# Allegro board RK3588S_Template_LP4XD200P232SD10H2_30X30_2133MHz_H1R0_V11_20220218YWQ.brd (continued)
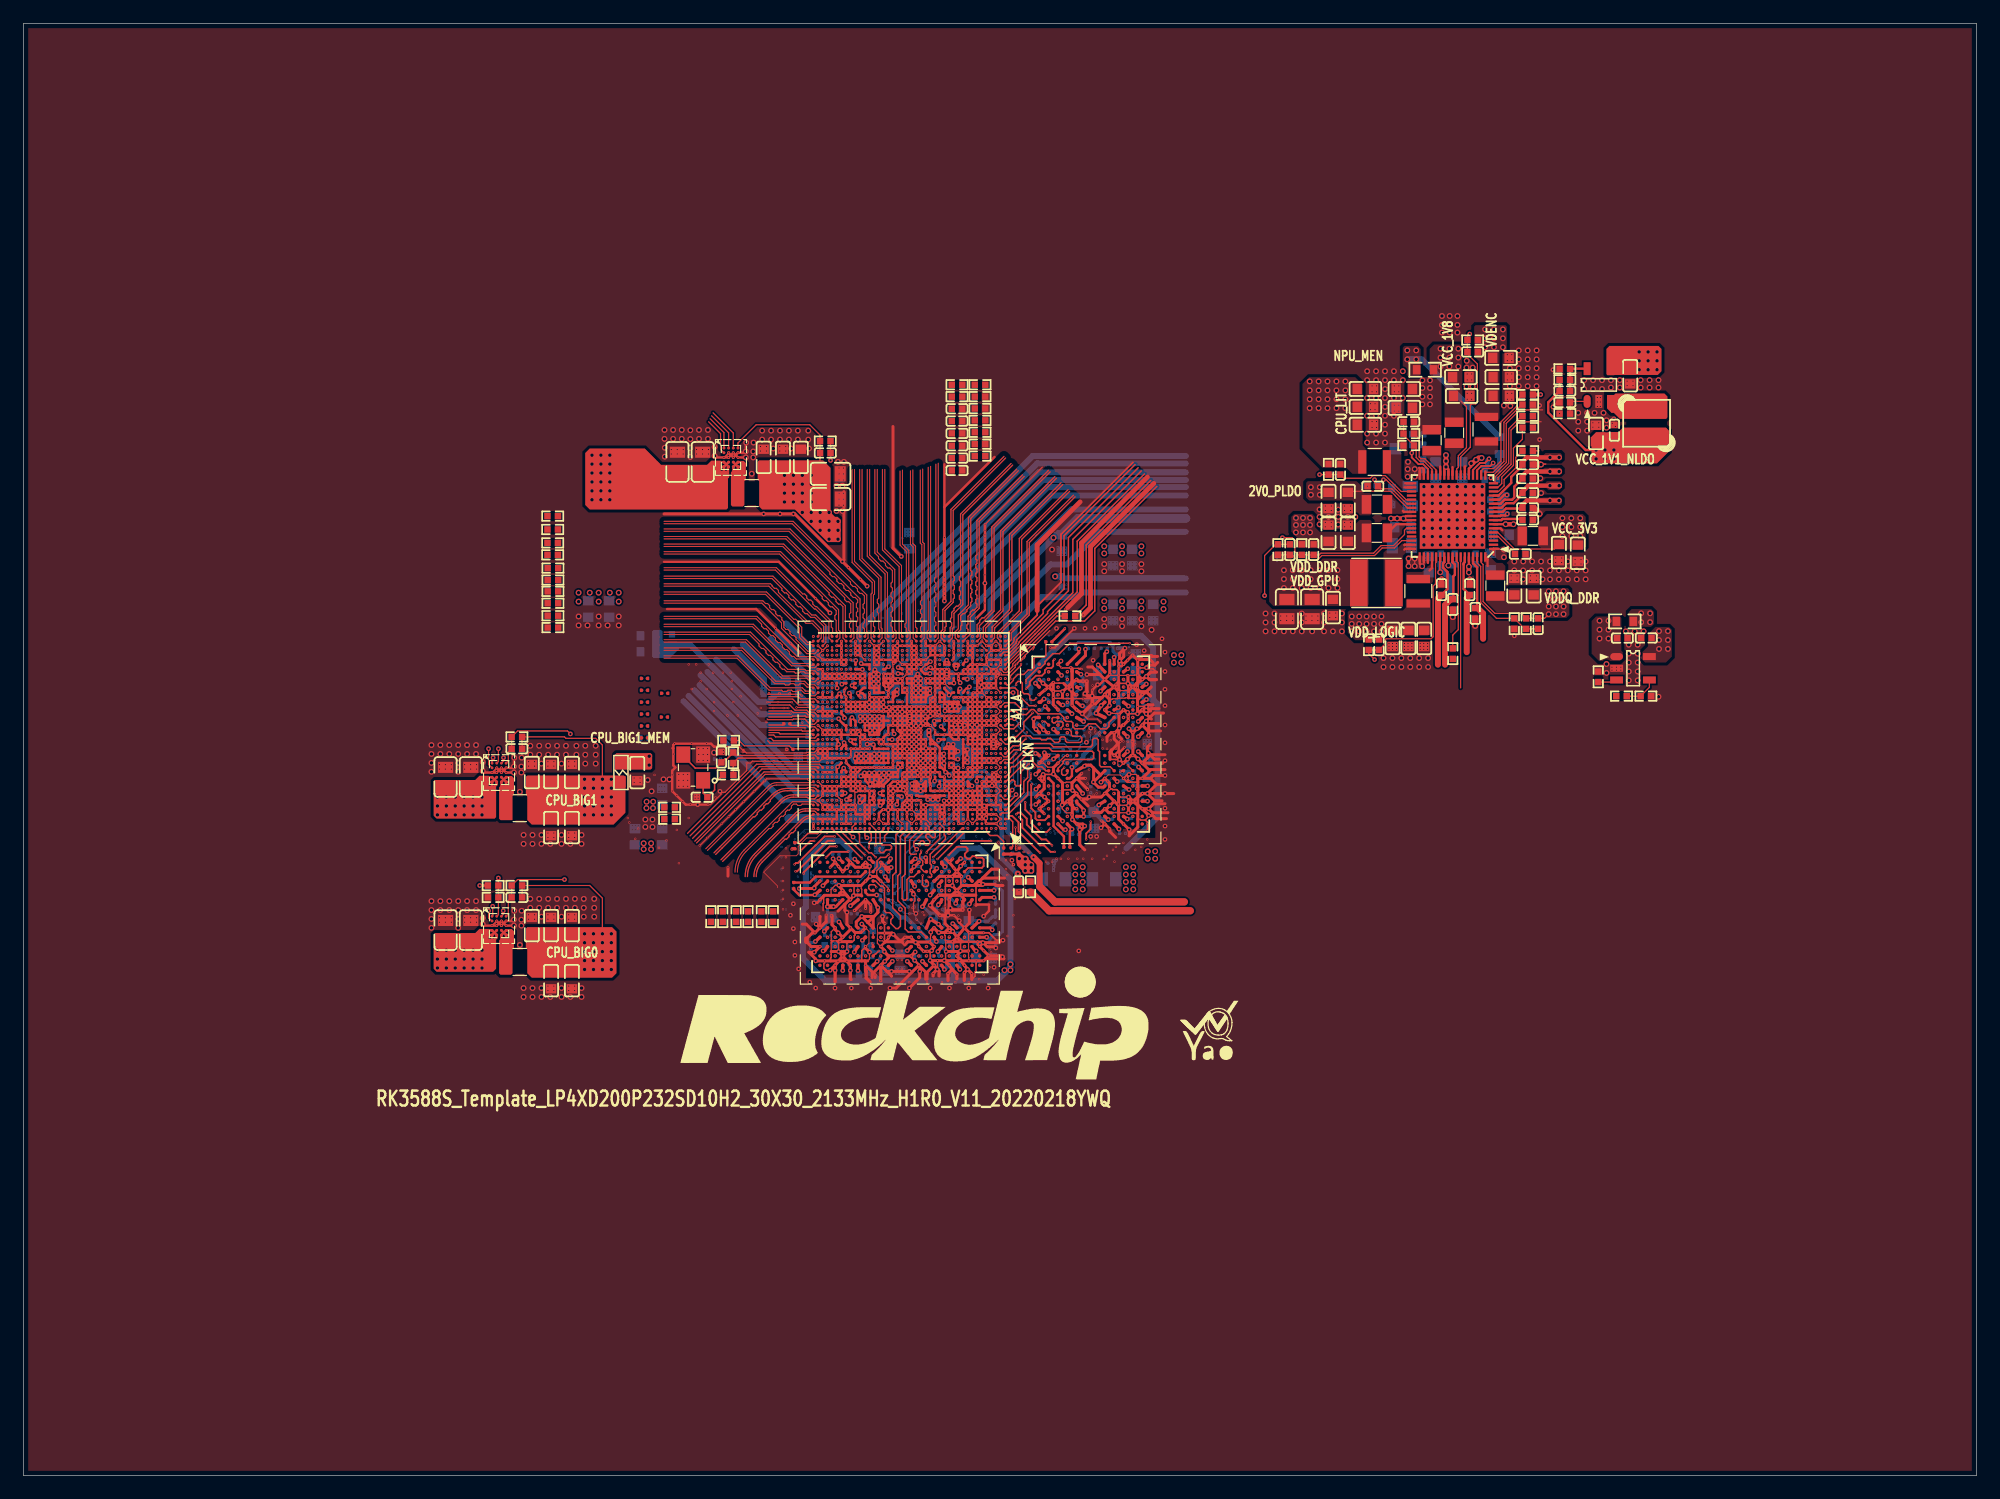
[diagram p0: board, top side]
## Routing (per net, layer and track width the routed paths; a pad name or vN(x,y) marks a point on that pad's centre or on a via; arc(x,y) is an arc through that point) (continued)
SDIO_CMD_M1_WIFI: length 10.6
  L3-S1 w0.076: 66.24,71.29 67.97,69.57 68.43,69.57 v2(68.69,69.3)
  L3-S1 w0.102: 60.62,75.36 62.17,75.36 66.24,71.29
SDIO_D0_M1_WIFI: length 12.6
  L3-S1 w0.076: v2(69.09,68.9) 68.85,68.66 67.41,68.66 67.16,68.92 67.16,69.15 66.21,70.1
  L3-S1 w0.102: 58.7,73.44 62.86,73.44 66.21,70.1
SDIO_D1_M1_WIFI: length 13.2
  L3-S1 w0.076: v2(69.49,68.9) 69.1,68.51 67.35,68.51 67,68.86 67,69.01 66.21,69.81
  L3-S1 w0.102: 58.46,73.2 62.81,73.2 66.21,69.81
SDIO_D2_M1_WIFI: length 10.8
  L3-S1 w0.076: 66.58,71.24 67.26,70.56 67.28,70.56 68.13,69.72 68.67,69.72 v2(69.09,69.3)
  L3-S1 w0.102: 60.87,75.62 62.21,75.62 66.58,71.24
SDIO_D3_M1_WIFI: length 10.3
  L3-S1 w0.076: 66.2,70.96 67.52,69.65 67.6,69.65 67.9,69.35 68.25,69.35 v2(68.27,69.32)
  L3-S1 w0.102: 66.2,70.96 62.06,75.11 60.36,75.11
SDMMC_CLK: length 14.3
  TOP w0.122: R1320.2 90.8,74.38 90.8,79.52 96.32,85.04
SDMMC_CMD: length 21
  TOP w0.107: 85.34,71.12 85.24,71.02 85.24,70.98 83.96,69.7 U1000.AU1
  TOP w0.122: 95.51,85.85 89.66,80 89.66,75.44 86.42,72.2 85.34,71.12
SDMMC_D0: length 21.2
  TOP w0.107: 84.87,71.28 84.81,71.22 84.81,71.13 84.06,70.38 83.77,70.38 U1000.AV2
  TOP w0.122: 84.87,71.28 84.87,71.41 87.12,73.66 87.12,73.97 88.91,75.76 88.91,80.31 94.98,86.38
SDMMC_D1: length 23.3
  TOP w0.107: U1000.AR2 83.77,68.62 83.78,68.62 83.78,68.62 84.01,68.62 84.53,69.14 84.53,69.35 85.95,70.77
  TOP w0.122: 96.84,84.52 91.54,79.22 91.54,73.88 90.66,73.01 88.19,73.01 85.95,70.77
SDMMC_D2: length 20.8
  TOP w0.107: U1000.AV1 84.07,70.1 85.02,71.05 85.02,71.11 85.09,71.19
  TOP w0.122: 85.09,71.19 85.09,71.25 87.5,73.66 87.5,73.82 89.28,75.6 89.28,80.15 95.24,86.11
SDMMC_D3: length 21.2
  TOP w0.107: 85.56,71.03 85.43,70.9 85.43,70.84 83.89,69.3 U1000.AT1
  TOP w0.122: 85.56,71.03 86.46,71.92 90.04,75.5 90.04,79.84 95.78,85.58
SDMMC_DET_L: length 12.9
  L3-S1 w0.076: 66.24,63.93 67.94,63.93 68.14,63.73 68.63,63.73 69,64.1 v2(69.09,64.1)
  L3-S1 w0.102: 66.24,63.93 63.07,63.93 60.72,66.28 57.36,66.28
SDMMC_PWREN: length 13.4
  L3-S1 w0.076: v2(73.49,70.1) 73.49,70.14 73,70.64 73,72.47 73.05,72.52 73.05,72.57
  L3-S1 w0.102: 73.05,83.29 73.05,72.57
SL_PWREN: length 10.3
  L3-S1 w0.076: 66.98,72.57 68.2,71.34 68.2,70.74 68.44,70.5 v2(68.69,70.5)
  L3-S1 w0.102: 66.98,72.57 61.78,77.76
SLEEP1_RESET1_DEVOFF1_VSEL1: length 22.8
  TOP w0.102: U2200.62 122.8,78.12 122.79,78.11 122.79,67.31
  L3-S1 w0.076: 66.2,62.79 66.52,62.47 67.86,62.47 v2(67.89,62.5)
  L3-S1 w0.102: 56.85,63.93 60.47,63.93 61.61,62.79 66.2,62.79
SPI2_CLK_M2: length 12.2
  L3-S1 w0.076: 66.24,63.32 67.83,63.32 68.04,63.12 68.45,63.12 68.67,62.9 v2(68.69,62.9)
  L3-S1 w0.102: 66.24,63.32 62.11,63.32 60.48,64.95 57.36,64.95
SPI2_MOSI_M2: length 13.5
  TOP w0.102: R1116.1 129.48,87.56
  L3-S1 w0.076: v2(68.69,62.5) 68.32,62.13 66.39,62.13 66.14,62.38
  L3-S1 w0.102: 66.14,62.38 61.44,62.38 60.4,63.42 56.34,63.42
SPI4_MISO_M2_TP: length 10
  L3-S1 w0.076: v2(68.29,57.7) 68.24,57.64 66.59,57.64 66.2,57.25
  L3-S1 w0.102: 62.56,51.01 62.56,53.61 66.2,57.25
SPI4_MOSI_M2_TP: length 12.5
  L3-S1 w0.076: 66.24,59.08 68,59.08 68.22,59.3 v2(68.29,59.3)
  L3-S1 w0.102: 66.24,59.08 65.99,59.08 65.01,58.1 65.01,57.78 61.16,53.94 61.16,51.01
SPK_CTL_H: length 19.5
  L3-S1 w0.076: v2(78.29,69.7) 78.44,69.84 78.44,70.28 78.57,70.42 78.57,72.31 78.44,72.44 78.44,72.57
  L3-S1 w0.102: 77.5,88.34 77.5,83.56 78.08,82.98 78.08,77.65 77.73,77.29 77.73,74.16 78.44,73.45 78.44,72.57
TP_INT_L: length 7.5
  L3-S1 w0.076: v2(68.29,56.47) 67.38,56.47 66.24,55.34 66.24,55.28
  L3-S1 w0.102: 64.57,51.01 64.57,53.61 66.24,55.28
TP_RST_L: length 13.5
  L3-S1 w0.076: 66.24,59.77 66.61,59.77 66.97,60.12 68.15,60.12 68.57,59.7 v2(68.69,59.7)
  L3-S1 w0.102: 66.24,59.77 65.81,59.77 64.86,58.82 59.26,53.21 59.26,52.16
TSADC_SHUT: length 12.5
  L3-S1 w0.076: v2(68.69,64.1) 68.47,63.88 68.2,63.88 68,64.08 66.32,64.08 66.24,64.16
  L3-S1 w0.102: 66.24,64.16 63.22,64.16 60.79,66.59 57.36,66.59
TYPEC0_DP0_REXT: length 1.7
  L3-S1 w0.076: v2(79.89,70.5) 79.65,70.74 79.65,71.48 79.62,71.51 79.62,71.62 v3(79.67,71.68)
  L8-S3 w0.102: v4(79.38,71.86) 79.5,71.86 v3(79.67,71.68)
TYPEC0_OTG_DM: length 3.4
  L3-S1 w0.064: v2(80.29,70.9) 80.22,70.97 80.22,74.1 80.34,74.22
TYPEC0_OTG_DP: length 3.5
  L3-S1 w0.064: v2(79.89,70.9) 80.05,71.06 80.05,74.17 80.15,74.27
TYPEC0_OTG_VBUSDET: length 19.7
  L3-S1 w0.076: 79.27,72.57 79.27,72.48 79.2,72.41 79.2,71.33 79.34,71.19 79.34,70.14 79.71,69.77 79.96,69.77 80.29,70.1 v2(80.29,70.1)
  L3-S1 w0.102: 79.05,88.44 79.05,73.98 79.27,73.76 79.27,72.57
TYPEC0_SBU1: length 19
  L3-S1 w0.102: 81.26,89.97 81.26,73.96 80.82,73.51 80.82,71.58 81.09,71.31 v2(81.09,71.3)
TYPEC0_SBU1_DC: length 17.5
  L3-S1 w0.076: v2(76.69,70.1) 76.3,70.5 76.3,71.03 76.44,71.18 76.44,72.74 76.23,72.95
  L3-S1 w0.102: 76.23,72.95 76.1,73.08 76.1,77.97 76.45,78.32 76.45,80.93 75.72,81.66 75.72,86.75
TYPEC0_SBU2: length 18.6
  L3-S1 w0.102: 81.51,90.07 81.51,73.86 81.06,73.41 81.06,71.73 v2(81.09,71.7)
TYPEC0_SBU2_DC: length 17.4
  L3-S1 w0.076: 76.95,72.95 76.95,72.28 77.44,71.79 77.44,70.84 v2(77.09,70.5)
  L3-S1 w0.102: 76.95,72.95 76.95,73.29 76.71,73.52 76.71,77.71 77.06,78.07 77.06,81.18 76.33,81.91 76.33,87.01
TYPEC0_SSRX1N: length 16.2
  TOP w0.104: U1000.BA10 80.9,71.91 80.9,73.34 81.66,74.1 81.66,81.53 85.5,85.37
TYPEC0_SSRX1P: length 16.6
  TOP w0.104: U1000.BB10 80.39,71.7 80.71,72.02 80.71,72.3 80.61,72.4 80.61,72.67 80.71,72.77 80.71,73.42 80.9,73.62 80.9,73.76 81.1,73.95 81.24,73.95 81.47,74.18 81.47,74.46 81.37,74.56 81.37,74.84 81.47,74.94 81.47,75.22 81.37,75.31 81.37,75.59 81.47,75.69 81.47,75.97 81.37,76.06 81.37,76.34 81.47,76.44 81.47,76.72 81.37,76.82 81.37,77.09 81.47,77.19 81.47,77.47 81.37,77.57 81.37,77.85 81.47,77.94 81.47,78.22 81.37,78.32 81.37,78.6 81.47,78.69 81.47,81.61 85.36,85.5
TYPEC0_SSRX2N: length 17.3
  TOP w0.104: 84.52,86.34 80.26,82.08 80.26,74.43 79.5,73.67 79.5,72.49 79.37,72.36 79.37,71.58 U1000.BA13
TYPEC0_SSRX2P: length 17.4
  TOP w0.104: U1000.BB13 79.18,71.78 79.18,72.44 79.31,72.57 79.31,72.85 79.21,72.95 79.21,73.23 79.31,73.32 79.31,73.75 79.51,73.95 79.51,74.09 79.71,74.29 79.84,74.29 80.07,74.51 80.07,74.79 79.97,74.89 79.97,75.17 80.07,75.26 80.07,75.54 79.97,75.64 79.97,75.92 80.07,76.02 80.07,76.4 79.98,76.49 79.98,76.8 80.07,76.89 80.07,82.16 84.39,86.48
TYPEC0_SSTX1N: length 17
  TOP w0.104: U1000.BA11 79.61,71.58 79.61,72.09 79.88,72.36 79.88,73.53 80.74,74.39 80.74,81.87 84.87,85.99
TYPEC0_SSTX1P: length 16.8
  TOP w0.104: 85,85.86 80.94,81.79 80.94,77.32 81.03,77.23 81.03,76.95 80.94,76.85 80.94,76.57 81.03,76.47 81.03,76.19 80.94,76.1 80.94,75.82 81.03,75.72 81.03,75.44 80.94,75.35 80.94,75.07 81.03,74.97 81.03,74.69 80.94,74.59 80.94,74.31 80.61,73.98 80.61,73.85 80.41,73.65 80.27,73.65 80.08,73.45 80.08,73.04 80.17,72.94 80.17,72.66 80.08,72.56 80.08,72.28 79.81,72.02 79.81,71.78 U1000.BB11
TYPEC0_SSTX2N: length 18.1
  TOP w0.104: 83.78,87.08 79.25,82.55 79.25,74.7 78.55,73.99 78.55,72.28 78.42,72.15 78.42,71.82 78.41,71.82 78.41,71.58 78.49,71.51 78.49,71.51 U1000.BA14
TYPEC0_SSTX2P: length 17.8
  TOP w0.104: U1000.BB14 78.61,71.78 78.61,72.07 78.74,72.2 78.74,72.48 78.84,72.57 78.84,72.85 78.74,72.95 78.74,73.91 79.44,74.62 79.44,74.89 79.54,74.99 79.54,75.27 79.44,75.37 79.44,75.65 79.54,75.74 79.54,76.02 79.44,76.12 79.44,76.4 79.54,76.49 79.54,76.77 79.44,76.87 79.44,82.47 83.92,86.94
TYPEC0_USB20_OTG_ID: length 0.7
  L3-S1 w0.102: v3(80.59,70.5) v2(80.29,70.5)
  L8-S3 w0.102: v3(80.59,70.5) 80.45,70.64 v4(80.45,70.87)
UART2_RX_M0: length 12.9
  L3-S1 w0.076: v2(68.29,66.1) 68.24,66.15 66.81,66.15 66.48,66.48
  L3-S1 w0.102: 57.36,70.96 61.89,70.96 66.37,66.48 66.48,66.48
UART2_TX_M0: length 13.4
  L3-S1 w0.076: v2(68.69,66.1) 68.6,66.1 68.38,66.32 66.89,66.32 66.55,66.66
  L3-S1 w0.102: 66.55,66.66 66.48,66.66 61.98,71.16 57.36,71.16
UART9_CTSN_M2_BT: length 12.5
  L3-S1 w0.076: 71.99,72.57 71.99,72.18 71.74,71.93 71.74,71.05 v2(71.89,70.9)
  L3-S1 w0.102: 71.53,83.03 71.53,75.68 71.99,75.22 71.99,72.57
UART9_RTSN_M2_BT: length 12.8
  L3-S1 w0.076: v2(72.29,70.9) 71.9,71.3 71.9,71.87 72.21,72.18 72.21,72.57
  L3-S1 w0.102: 71.73,83.17 71.73,75.77 72.21,75.29 72.21,72.57 72.21,72.57
UART9_RX_M2_BT: length 13
  L3-S1 w0.076: 71.57,72.57 71.57,72.2 71.44,72.06 71.44,70.55 v2(71.89,70.1)
  L3-S1 w0.102: 71.57,72.57 71.57,75.06 71.12,75.51 71.12,82.66
UART9_TX_M2_BT: length 12.5
  L3-S1 w0.076: 72.44,72.57 72.44,72.51 72.54,72.4 72.54,70.75 v2(72.29,70.5)
  L3-S1 w0.102: 72.44,82.83 72.44,72.57
USB20_HOST0_DM: length 5.6
  L3-S1 w0.064: 85.03,74.36 82.5,71.83 82.5,70.64 82.12,70.26 82.05,70.26 v2(81.89,70.1)
USB20_HOST0_DP: length 5.3
  L3-S1 w0.064: 84.85,74.42 82.33,71.9 82.33,70.71 82.05,70.43 81.96,70.43 v2(81.89,70.5)
USB20_HOST1_DM: length 3.8
  L3-S1 w0.064: v2(81.48,70.51) 81.44,70.55 81.44,70.94 81.56,71.06 81.56,72.51 82.8,73.75
USB20_HOST1_DP: length 4.4
  L3-S1 w0.064: 82.62,73.81 81.39,72.58 81.39,71.13 81.27,71.01 81.27,70.32 v2(81.48,70.1)
USB30_2_SSRXN: length 7.5
  TOP w0.107: U1000.C42 67.45,56.14 arc(67.38,56.19) 67.31,56.2 arc(66.93,56.12) 66.6,55.91 65.97,55.28 65.97,55.15 65.75,54.93 65.63,54.93 65.41,54.72 65.41,54.59 65.2,54.38 65.07,54.38 63.13,52.44 arc(62.75,51.86) 62.61,51.18
USB30_2_SSRXP: length 7.6
  TOP w0.107: U1000.D42 67.44,56.45 arc(67.38,56.41) 67.31,56.4 arc(66.85,56.31) 66.46,56.05 63.61,53.2 62.99,52.58 arc(62.57,51.94) 62.42,51.18
USB30_2_SSTXN: length 8.9
  TOP w0.107: U1000.D41 67.66,56.73 arc(67.61,56.77) 67.55,56.78 66.8,56.78 arc(66.44,56.71) 66.14,56.51 66.07,56.44 62.6,52.97 arc(62.05,52.15) 61.86,51.18
USB30_2_SSTXP: length 9.1
  TOP w0.107: U1000.E41 arc(67.81,56.96) 67.71,56.98 66.8,56.98 arc(66.37,56.89) 66,56.64 65.6,56.24 62.46,53.11 arc(61.87,52.22) 61.67,51.18
USB_AVDD_1V8: length 3.7
  TOP w0.203: 78.91,69.65 79.09,69.47 U1000.AT13 U1000.AT14 78.69,69.5 78.84,69.65 78.91,69.65 ; 78.91,69.65 v1(78.89,69.67)
  BOTTOM w0.305: 78.55,70.1 78.55,69.74 C1406.1 78.61,69.67 v1(78.89,69.67)
  BOTTOM w0.508: 78.55,70.1 78.55,70.6 R1401.1 R1402.1
USB_HOST_PWREN_H: length 18.6
  L3-S1 w0.076: v2(75.09,69.7) 75.34,69.46 75.6,69.46 76.14,70 76.14,71.09 76.29,71.24 76.29,72.62 75.95,72.96
  L3-S1 w0.102: 75.95,72.96 75.9,73.01 75.9,78.05 76.25,78.4 76.25,80.72 75.51,81.46 75.51,86.53
VSEL2: length 13.8
  TOP w0.104: v1(40.09,48.64) 40.09,47.84 U2300.A1
  L3-S1 w0.076: v2(68.69,64.5) 68.47,64.72 66.34,64.72 66.28,64.77
  L3-S1 w0.102: 57.36,68.25 61.02,68.25 64.5,64.77 66.28,64.77
VSEL3: length 16.3
  TOP w0.102: U2302.A1 59.85,89.12 58.67,90.3
  L3-S1 w0.076: v2(69.09,67.7) 68.74,68.05 67.1,68.05 66.21,68.95
  L3-S1 w0.102: 66.21,68.95 62.56,72.59 57.85,72.59
VSEL4: length 14.8
  L3-S1 w0.076: 66.24,65.18 66.33,65.18 66.48,65.02 69.24,65.02 69.89,65.68 v2(69.89,65.7)
  L3-S1 w0.102: 66.24,65.18 65.9,65.18 61.34,69.74 57.36,69.74
VSEL5: length 13.9
  L3-S1 w0.076: v2(69.09,66.1) 68.87,66.32 68.6,66.32 68.45,66.47 67.03,66.47 66.65,66.85
  L3-S1 w0.102: 66.65,66.85 66.57,66.85 62.06,71.36 57.36,71.36
VSEL6: length 4.6
  TOP w0.102: U1000.AG42 67.34,65.85 66.23,65.85 65.73,66.35 63.69,66.35
  TOP w0.104: U2301.A1 40.04,61.12 40.13,61.21 v1(40.13,61.34)
WIFI_REG_ON_H: length 13
  L3-S1 w0.076: 66.21,68.08 67.21,67.08 68.07,67.08 v2(68.29,67.3)
  L3-S1 w0.102: 66.21,68.08 62.32,71.97 57.36,71.97
WIFI_WAKE_HOST_H: length 13.7
  L3-S1 w0.076: 65.99,62.18 66.09,62.18 66.29,61.98 67.47,61.98 68.56,61.97 v2(69.09,62.5)
  L3-S1 w0.102: 56.11,63.19 60.34,63.19 61.36,62.18 65.99,62.18
XIN: length 12.9
  TOP w0.102: 67.01,61.58 67.61,61.58 U1000.T41
  TOP w0.127: 67.01,61.58 66.96,61.53 60.91,61.53 R1102.2 60.12,61.25 59.94,61.25 C1112.1 59.15,60.45 57.4,60.45 56.38,61.48 Y1100.3
XOUT: length 8
  TOP w0.127: R1100.2 60.66,59.88 R1102.1 61.07,61.3 67.49,61.3 U1000.T42
N29482643: length 0.8
  L3-S1 w0.064: v2(73.28,49.96) 73.29,49.96 73.33,50 73.34,50 v3(73.6,50.26)
  L8-S3 w0.066: v4(73.91,50.31) 73.64,50.31 v3(73.6,50.26)
N29482645: length 0.8
  L3-S1 w0.064: v3(73.51,49.45) 73.5,49.45 73.3,49.25 73.3,49.24 v2(73.29,49.23)
  L8-S3 w0.066: v4(73.83,49.77) v3(73.51,49.45)
N29482655: length 6.5
  TOP w0.203: U3801.T2 71.53,51.18 67.69,51.18 67.18,50.67 R3803.1
N29482661: length 0.8
  TOP w0.279: v1(78.03,51.89) 78.03,51.83 U3801.G2
  BOTTOM w0.254: R3802.2 77.86,51.89 v1(78.03,51.89)
N29482667: length 1.9
  TOP w0.254: U3801.A5 81.91,49.4 v1(82.93,49.4)
  BOTTOM w0.254: R3805.2 83.06,49.28 v1(82.93,49.4)
N29482669: length 1.8
  TOP w0.254: v1(82.78,46.63) 82.78,46.63 82.61,46.8 U3801.A8
  BOTTOM w0.254: v1(82.78,46.63) 82.78,46.94 R3807.2
N29584131: length 1
  L3-S1 w0.064: v3(89.54,64.18) 89.46,64.1 89.24,64.1 v2(89.22,64.07)
  L8-S3 w0.066: v4(89.95,63.74) 89.54,64.15 v3(89.54,64.18)
N29584146: length 0.8
  L3-S1 w0.064: v3(90.35,63.97) 90.14,63.97 v2(89.99,64.12)
  L8-S3 w0.066: v3(90.35,63.97) 90.59,63.74 v4(90.61,63.74)
N29609736: length 1
  L3-S1 w0.064: v2(76.5,50) 76.56,49.95 v3(76.56,49.65)
  L8-S3 w0.066: v4(76.12,49.24) 76.53,49.65 v3(76.56,49.65)
N29609761: length 0.8
  L3-S1 w0.064: v2(76.5,49.2) 76.5,48.99 v3(76.35,48.84)
  L8-S3 w0.066: v4(76.12,48.58) 76.12,48.61 v3(76.35,48.84)
N30600922: length 2.7
  TOP w0.119: U1000.A5 82.29,55 82.6,54.69 83.23,54.69 83.75,54.17 R1202.1
N30600936: length 6.3
  TOP w0.122: R1200.1 87.36,70.06 87.23,69.93 86.46,69.93 86.34,69.81 86.34,69.04 86.13,68.83 85.85,68.83 85.47,68.45 84.96,68.45 84.58,68.07 84.58,67.94 84.2,67.56 84.03,67.56 U1000.AM1
N30601110: length 3
  TOP w0.122: R1201.1 84.52,53.75 84.52,55.86 84.29,56.1 U1000.C1
N30601240: length 2.9
  TOP w0.122: U1000.A40 68.29,55.29 67.86,54.86 67.02,54.86 66.23,54.07 R1203.1
N30910269: length 2.5
  TOP w0.203: U2200.8 126.26,81.64 126.37,81.74 127.99,81.74 C2265.1
N30961579: length 7
  TOP w0.203: 61.59,86.11 61.51,86.19 U2302.E4 ; U2302.E4 60.65,86.59 U2302.D3 ; U2302.E4 61.05,83.97 61.03,83.95 60.65,84.33 U2302.E3 60.65,86.2 U2302.D4 61.05,86.59 61.49,86.59 61.59,86.49
N30962042: length 2.4
  TOP w0.102: R2305.2 C2329.1 132.24,91.78 U2303.1
N30962062: length 3.4
  TOP w0.203: C2326.2 R2306.2 R2307.1 132.16,94.58 U2303.5
N30962978: length 7
  TOP w0.203: 41.78,59.18 41.69,59.27 U2301.E4 ; 41.78,59.56 41.68,59.67 U2301.D4 U2301.E3 40.84,57.4 41.22,57.02 41.24,57.05 U2301.E4 ; U2301.E4 U2301.D3
N30963105: length 7
  TOP w0.203: U2300.D3 U2300.E4 ; U2300.E4 41.69,46.19 41.78,46.1 ; U2300.E4 41.24,43.96 41.22,43.94 40.84,44.32 U2300.E3 U2300.D4 41.68,46.59 41.78,46.48
N31111434: length 3.9
  TOP w0.107: U1000.AB42 67.41,63.62 66.56,63.62 66.48,63.69 63.69,63.69
N31111436: length 4
  TOP w0.107: 63.69,64.82 65.63,64.82 65.71,64.9 66.8,64.9 66.89,64.81 67.19,64.81 U1000.AD42
N31111592: length 2.6
  TOP w0.107: R1309.1 65.61,64.1 66.96,64.1 67.08,63.98 67.61,63.98 U1000.AB41
N32124849: length 2.9
  TOP w0.102: U2304.4 138.92,67.35 R2310.1 R2309.2
N32124977: length 1.6
  TOP w0.102: R2311.1 135.94,67.8 U2304.3
N63380616: length 0.8
  L3-S1 w0.064: v2(89.97,60.91) 89.95,60.93 89.94,60.93 89.74,61.12 v3(89.74,61.13)
  L8-S3 w0.066: v4(89.43,61.45) v3(89.74,61.13)
N63380618: length 0.8
  L3-S1 w0.064: v3(88.93,61.22) 89.19,60.96 89.19,60.95 89.23,60.91 v2(89.23,60.9)
  L8-S3 w0.066: v4(88.89,61.53) 88.89,61.26 v3(88.93,61.22)
N63380732: length 6.4
  TOP w0.203: R3801.1 88.9,53.97 88.9,53.98 88.9,54.61 88.01,55.5 88.01,59.15 U3800.T2
N63380738: length 1.1
  TOP w0.279: v1(87.3,65.72) 87.3,65.72 U3800.G2
  BOTTOM w0.254: v1(87.3,65.72) 86.97,65.39 R3800.2
N63380744: length 1.9
  TOP w0.254: U3800.A5 90.74,70.07 v1(90.74,70.61)
  BOTTOM w0.254: R3804.2 90.81,70.68 v1(90.74,70.61)
N63380746: length 1.4
  TOP w0.254: v1(92.56,70.4) 92.56,70.4 92.39,70.23 U3800.A8
  BOTTOM w0.254: v1(92.56,70.4) 92.61,70.45 R3806.2
N64919975: length 4
  TOP w0.127: R1100.1 59.05,59.17 59.05,58.58 C1111.1 58.08,58.32 Y1100.1

## Copper pours and planes (outline as drawn; the poured copper is in the pictures)
GND on TOP: 126.24,94.87 126.24,91.95 127.13,91.06 127.51,91.06 127.63,91.19 127.63,94.74 127.38,95 126.36,95
GND on TOP: 0.41,0.41 0.41,123.67 166.47,123.67 166.47,0.41 ; 1 cut-out
GND on BOTTOM: 0.41,0.41 0.41,123.67 166.47,123.67 166.47,0.41 ; 2 cut-outs
GND on L2-GND1, L4-POWER1, L5-POWER2, L7-GND2, L8-S3, L9-GND3: 0.41,0.41 0.41,123.67 166.47,123.67 166.47,0.41
GND on L3-S1: 0.41,0.41 0.41,123.67 166.47,123.67 166.47,0.41 ; 1 cut-out
GND on L6-S2: 0.41,0.41 0.41,123.67 166.47,123.67 166.47,0.41 ; 1 cut-out
VCC1V8_PMU_DDR_S3 on TOP: 119.38,96.27 119.38,94.11 119.25,93.98 118.11,93.98 117.86,94.23 117.86,96.39 117.98,96.52 119.13,96.52
VCC1V8_PMU_DDR_S3 on BOTTOM: 67.94,42.04 66.29,43.69 66.29,48.39 66.55,48.64 66.55,53.09 67.94,54.48 69.85,54.48 71.25,53.09 71.25,52.55 71.12,52.42 70.87,52.42 70.72,52.56 70.5,52.56 70.36,52.7 70.36,53.47 69.72,54.1 68.71,54.1 67.56,52.96 67.56,52.72 67.55,52.71 67.55,52.57 67.06,52.07 67.06,48.51 66.8,48.26 66.8,44.45 68.58,42.67 70.74,42.67 70.99,42.93 70.99,44.22 71.37,44.6 71.37,45.74 71.63,45.99 71.75,45.99 71.88,45.87 71.88,44.34 71.87,44.33 71.88,44.32 71.88,44.07 72.26,43.69 72.52,43.69 72.64,43.56 72.64,43.05 73.15,42.55 77.7,42.55 77.71,42.55 78.11,42.55 78.49,42.93 78.49,43.33 79.12,43.96 79.12,45.1 78.87,45.36 77.45,45.36 75.44,47.37 74.7,47.37 72.77,49.3 72.77,49.66 72.9,49.78 73.02,49.78 73.15,49.66 73.41,49.66 73.41,49.42 74.93,47.9 75.56,47.9 77.34,46.12 79.25,46.12 79.5,45.87 79.5,43.05 79.76,42.8 80.77,42.8 81.03,43.05 83.18,43.05 84.07,43.94 84.07,50.8 82.93,51.94 82.93,52.32 82.04,53.21 79.88,53.21 79.63,52.96 79.63,52.22 77.72,50.31 77.72,49.93 77.47,49.93 77.47,50.95 78.23,51.71 78.23,52.45 79.76,53.98 82.55,53.98 83.57,52.96 83.57,52.32 84.96,50.93 84.96,43.18 83.82,42.04
VCC1V8_PMU_DDR_S3 on BOTTOM: 84.55,57.31 86.11,58.87 86.65,58.87 86.77,58.74 86.77,58.49 86.63,58.34 86.63,58.12 86.49,57.98 85.72,57.98 85.18,57.44 85.18,56.13 85.95,55.37 86.23,55.37 87.25,54.36 89.03,54.36 89.28,54.1 94.36,54.1 96.52,56.26 96.52,58.17 96.07,58.61 95.18,58.61 94.74,59.05 93.34,59.05 93.22,59.18 93.22,59.44 93.34,59.56 95.38,59.56 95.5,59.69 95.5,60.2 95.63,60.33 96.52,60.33 96.65,60.45 96.65,65.33 95.23,66.74 94.54,66.74 93.83,66.04 93.83,65.26 91.82,63.25 91.82,62.99 91.84,62.97 91.84,62.72 91.8,62.68 91.8,62.3 89.9,60.39 89.86,60.39 89.66,60.2 89.53,60.2 89.41,60.33 89.41,60.58 89.53,60.71 89.53,60.96 89.92,61.34 90.08,61.34 91.29,62.55 91.29,63.19 93.07,64.96 93.07,65.02 93.22,65.17 93.22,66.42 94.11,67.31 96.14,67.31 96.27,67.44 96.27,70.48 95.25,71.5 89.28,71.5 86.11,68.33 86.11,67.56 86.29,67.38 86.85,67.38 88.88,65.34 89.26,65.34 89.26,65.09 88.25,65.09 86.98,66.36 86.67,66.36 86.36,66.67 85.98,66.67 85.6,67.06 85.6,68.45 89.15,72.01 96.14,72.01 97.22,70.93 97.22,52.9 96.65,52.32 95.63,52.32 95.38,52.58 88.9,52.58 88.52,52.96 86.99,52.96 84.55,55.41
VCC1V8_PMU_DDR_S3 on L3-S1: 83.44,43.56 88.39,48.51 91.19,48.51 92.2,49.53 92.2,50.8 94.61,53.21 95.38,53.21 95.88,53.72 97.41,53.72 100.96,57.28 100.96,92.08 108.33,99.44 119.63,99.44 120.01,99.06 120.01,95.38 119.57,94.93 110.3,94.93 105.28,89.92 105.28,52.7 94.49,41.91 83.69,41.91 83.44,42.16
VCC_1V1_NLDO_S3 on TOP (solid shape): 140.59,89.28 140.59,87.5 139.57,86.49 134.24,86.49 133.98,86.74 133.98,88.77 134.37,89.15 135.12,89.15 135.13,89.15 135.25,89.13 135.38,89.15 135.39,89.15 136.27,89.15 136.65,89.53 140.33,89.53
VCC_1V1_NLDO_S3 on L3-S1: 130.94,89.03 135.64,89.03 136.27,88.39 136.27,86.61 135.76,86.11 134.62,86.11 129.29,80.77 126.24,80.77 126.11,80.9 126.11,84.2
VCC_1V8_S0 on BOTTOM (solid shape): 65.53,68.2 65.53,67.56 63.88,67.56 63.88,68.2 64.01,68.33 65.4,68.33
VCC_1V8_S0 on BOTTOM (solid shape): 71.5,58.16 71.6,58.14 71.7,58.16 71.71,58.17 71.75,58.17 72.01,57.91 72.01,57.81 71.97,57.74 71.95,57.68 71.95,57.56 72,57.45 72.01,57.44 72.01,57.4 72.14,57.28 72.39,57.28 72.52,57.4 73.28,57.4 73.41,57.28 73.41,57.15 73.28,57.02 73.02,57.02 71.75,55.75 69.98,55.75 69.85,55.88 69.85,56.39 69.98,56.51 70.66,56.51 70.71,56.5 70.75,56.49 70.86,56.49 70.91,56.5 70.97,56.52 71.12,56.52 71.25,56.64 71.25,57.6 71.27,57.63 71.27,57.84 71.25,57.86 71.25,58.04 71.37,58.17 71.5,58.17
VCC_1V8_S3 on TOP: 121.41,89.79 121.41,93.73 121.16,93.98 120.27,93.98 120.14,94.11 120.14,96.27 120.52,96.65 122.68,96.65 122.94,96.39 122.94,91.31 123.06,91.19 123.06,89.92 122.94,89.79
VCC_2V0_PLDO_S3 on TOP: 115.19,82.17 115.06,82.04 114.17,82.04 114.05,82.17 113.92,82.17 113.79,82.3 113.79,83.06 113.54,83.31 109.85,83.31 109.6,83.57 109.6,84.84 109.73,84.96 113.92,84.96 114.3,84.58 114.3,84.2 114.55,83.95 115.06,83.95 115.19,83.82
VCC_2V0_PLDO_S3 on L8-S3: 119.13,79.38 119.76,78.74 121.54,78.74 122.3,77.98 122.3,76.45 122.05,76.2 118.36,76.2 117.28,77.28 117.28,79.31 113.54,83.06 110.11,83.06 109.73,83.44 109.73,84.71 109.85,84.84 114.55,84.84 116.71,82.68 118.36,82.68 119.13,81.91
VCC_3V3_S0 on TOP: 136.4,73.41 134.37,73.41 133.98,73.03 133.98,70.23 134.62,69.6 136.4,69.6 136.65,69.85 136.65,70.36 136.52,70.48 136.52,73.28
VCC_3V3_S3 on TOP: 138.56,69.47 140.33,69.47 140.84,69.98 140.84,72.26 140.59,72.52 139.45,72.52 138.81,71.88 138.81,70.87 138.18,70.23 138.18,69.85
VCC_3V3_S3 on TOP: 129.41,81.41 129.41,79.5 129.79,79.12 133.22,79.12 133.48,79.38 133.48,81.91 133.22,82.17 130.17,82.17
VCC_SYSIN on TOP (solid shape): 139.95,96.27 139.95,94.36 139.64,94.04 135.95,94.04 135.94,94.03 135.33,94.03 135.25,94.11 135.25,96.27 135.51,96.52 139.7,96.52
VCC_SYSIN on TOP (solid shape): 39.75,58.93 40.39,58.93 40.39,56.26 40.26,56.13 35.31,56.13 35.05,56.39 35.05,59.31 35.18,59.44 38.61,59.44 38.96,59.79 39.75,59.79
VCC_SYSIN on TOP (solid shape): 39.75,45.85 40.39,45.85 40.39,43.31 40.13,43.05 35.31,43.05 35.05,43.31 35.05,46.23 35.18,46.36 38.61,46.36 38.96,46.71 39.75,46.71
VCC_SYSIN on TOP (solid shape): 54.48,86.36 58.42,86.36 58.77,86.71 59.56,86.71 59.56,85.85 60.2,85.85 60.2,82.68 60.07,82.55 48.39,82.55 48.01,82.93 48.01,87.38 48.39,87.76 53.09,87.76
VCC_SYSIN on TOP: 118.24,85.09 119.75,85.09 119.75,86.12 119.63,86.23 119.25,86.23 118.62,86.87 118.11,86.87 117.98,86.74 117.98,85.34
VCC_SYSIN on TOP: 120.1,78.06 120.1,78.61 118.24,78.61 118.11,78.49 118.11,77.6 118.24,77.47 119.51,77.47
VCC_SYSIN on TOP: 125.22,78.99 125.22,79.25 126.11,79.25 126.24,79.38 126.62,79.38 126.75,79.25 126.75,78.36 126.62,78.23 125.98,78.23
VCC_SYSIN on BOTTOM: 123.19,77.09 123.19,77.98 123.32,78.11 125.86,78.11 126.11,78.36 126.11,79.76 126.36,80.01 126.36,81.41 126.49,81.53 127.51,81.53 127.63,81.41 127.63,78.99 126.81,78.17 126.81,77.6 126.05,76.84 123.95,76.84 123.82,76.96 123.32,76.96
VCC_SYSIN on BOTTOM: 115.95,78.36 115.95,81.53 116.46,82.04 117.98,82.04 118.11,81.91 118.11,81.66 117.86,81.41 117.86,78.74 117.98,78.61 119,78.61 119.13,78.49 119.13,78.23 119.38,77.98 120.14,77.98 120.52,77.6 120.52,76.71 120.14,76.33 117.98,76.33
VCC_SYSIN on BOTTOM: 120.14,87.25 120.14,86.23 120.4,85.98 121.92,85.98 122.17,86.23 124.08,86.23 124.46,86.61 124.71,86.61 124.84,86.74 124.84,87.38 124.71,87.5 120.4,87.5
VCC_SYSIN on BOTTOM: 116.71,83.95 116.59,84.07 116.59,84.71 116.84,84.96 116.84,86.61 117.09,86.87 118.49,86.87 119.25,86.11 119.25,84.07 119.13,83.95
VCC_SYSIN on L5-POWER2: 116.59,84.71 116.59,76.58 117.22,75.95 117.22,53.47 102.87,39.12 43.18,39.12 41.66,40.64 41.66,74.04 50.42,82.8 50.42,87.63 50.16,87.88 37.59,87.88 26.8,77.09 26.8,24.89 35.18,16.51 130.68,16.51 149.22,35.05 149.22,96.14 148.72,96.65 133.35,96.65 129.16,92.46 123.82,92.46 116.59,85.22
VCCA_3V3_S0 on TOP: 137.16,73.79 137.16,72.52 139.06,72.52 139.32,72.77 139.32,73.79 139.06,74.04 137.41,74.04
VCCIO5 on L8-S3 (solid shape): 65.53,65.41 65.53,65.02 64.9,65.02 62.74,67.18 62.74,67.44 62.86,67.56 63.37,67.56
VCCIO5 on BOTTOM: 63.48,66.55 63.36,66.44 63.18,66.44 63.14,66.4 62.75,66.79 62.75,68.06 62.86,68.17 63.48,68.17
VCCIO_FLASH on BOTTOM (solid shape): 54.61,72.14 54.61,71.37 54.74,71.25 55.88,71.25 56.01,71.12 56.01,70.61 55.24,69.85 53.85,69.85 53.72,69.98 53.72,72.14 53.85,72.26 54.48,72.26
VDD2_DDR_S3 on TOP: 119.51,88.9 121.03,88.9 121.16,89.03 121.16,93.6 120.9,93.85 118.36,93.85 118.24,93.73 118.24,90.81 118.49,90.55 118.49,88.77 118.62,88.65 119.25,88.65
VDD2_DDR_S3 on BOTTOM: 71.63,51.05 71.63,51.56 71.5,51.69 71.5,52.29 72.15,52.94 74.2,52.94 74.29,52.85 74.29,52.6 73.79,52.09 73.79,51.33 73.8,51.32 73.78,51.3 73.78,51.06 73.64,50.93 73.41,50.93 73.15,50.67 73.15,50.55 72.52,49.91 72.52,49.3 73.28,48.53 73.28,48.15 73.02,47.9 73.02,47.64 73.28,47.39 74.29,47.39 74.57,47.12 75.44,47.12 77.09,45.47 77.09,43.69 76.83,43.43 75.69,43.43 75.31,43.81 74.42,43.81 74.29,43.69 72.9,43.69 72.77,43.81 72.77,44.07 72.89,44.19 72.89,44.7 72.89,44.71 72.89,45.21 72.9,45.21 72.9,45.59 72.64,45.85 72.39,45.85 72.27,45.96 72.27,46.98 71.75,47.5 71.25,47.5 71.12,47.62 71.12,48.13 70.85,48.41 70.74,48.41 70.36,48.79 70.36,49.78
VDD2_DDR_S3 on BOTTOM: 76.71,47.14 77.09,46.76 78.23,46.76 78.49,47.01 78.49,47.26 78.23,47.52 78.23,48.41 78.61,48.79 78.61,48.91 78.23,49.3 77.34,49.3 77.09,49.55 77.09,49.93 76.83,49.93 76.45,50.31 76.45,50.95 76.71,51.2 77.11,51.2 77.34,51.44 77.34,52.07 77.6,52.32 77.85,52.32 79.76,54.23 80.39,54.23 80.52,54.36 80.52,54.99 79.63,54.99 79.63,54.74 78.25,53.36 76.58,53.36 75.95,52.72 76.2,52.47 76.71,52.47 76.83,52.34 76.83,51.84 76.71,51.71 76.33,51.71 75.95,51.33 75.95,50.06 76.71,49.3
VDD2_DDR_S3 on BOTTOM: 92.06,64.33 92.44,64.71 92.44,65.81 92.33,65.91 91.73,65.91 91.67,65.85 90.79,65.85 90.4,66.23 90.28,66.23 89.9,65.85 89.9,64.96 89.64,64.71 89.26,64.71 89.26,64.46 88.88,64.07 88.25,64.07 87.99,64.33 87.99,64.73 87.63,65.09 86.09,65.09 85.83,64.84 85.83,64.2 86.47,63.57 86.72,63.82 86.72,64.33 86.98,64.58 87.36,64.58 87.48,64.46 87.48,63.95 87.86,63.57 89.13,63.57 89.9,64.33
VDD2_DDR_S3 on BOTTOM: 88.17,59.22 86.58,59.22 86.22,59.57 86.22,61.8 86.34,61.92 86.59,61.92 87.1,61.41 87.86,61.41 87.99,61.53 88.12,61.53 88.37,61.28 88.37,61.09 89.39,60.07 89.83,60.07 90.62,60.86 91.57,60.86 91.8,61.09 91.8,62.23 92.07,62.5 92.07,63.12 93.47,64.52 94.36,64.52 94.49,64.64 95.38,64.64 95.76,64.26 95.76,63.37 95.44,63.06 95.44,61.66 95.38,61.59 95.12,61.59 95.12,61.09 95.5,60.71 95.5,60.45 95.38,60.33 95,60.33 94.74,60.58 94.74,61.21 94.36,61.59 93.47,61.59 93.22,61.34 93.22,59.94 93.09,59.82 92.07,59.82 91.69,59.44 91.69,59.05 91.38,58.74 91.06,58.74 90.79,58.47 90.79,58.36 90.4,57.98 89.41,57.98
VDD2_DDR_S3 on BOTTOM: 92.74,52.2 92.84,52.3 95,52.3 95.12,52.17 95.12,49.91 95,49.78 93.09,49.78 92.74,50.14
VDD2_DDR_S3 on L4-POWER1: 106.81,51.44 103.25,47.88 95.38,47.88 93.34,49.91 93.34,51.69 93.98,52.32 97.92,52.32 99.82,54.23 99.82,93.47 105.03,98.68 119.63,98.68 120.71,97.6 120.71,90.49 118.74,88.52 111.63,88.52 107.44,84.33 107.44,80.52 106.81,79.88
VDD2_DDR_S3 on L5-POWER2: 69.66,42.61 67.94,44.32 67.94,44.83 67.18,45.59 67.18,46.23 66.67,46.74 66.67,51.31 68.83,53.47 80.26,53.47 84.84,48.89 86.99,48.89 88.01,49.91 88.01,54.17 85.72,56.45 85.72,64.64 86.36,65.28 86.36,67.31 86.49,67.44 87.12,67.44 87.38,67.69 87.38,68.71 88.01,69.34 88.65,69.34 89.66,70.36 89.66,70.74 90.04,71.12 91.31,71.12 92.33,70.1 93.85,70.1 94.11,69.85 96.77,69.85 97.16,69.47 97.16,47.75 92.01,42.61